# Altium PCB PCB3.PcbDoc
Units mm, origin at the board's own origin, x right, y up, seen from the top; angles counter-clockwise.
Board outline 75.5 x 87.5 mm, 2 copper layers (Top Layer, Bottom Layer), stack 1.569 mm thick; 75 components, 42 nets, 222 pads, 16 vias.
Unrouted connection lines stored in the file: 2.
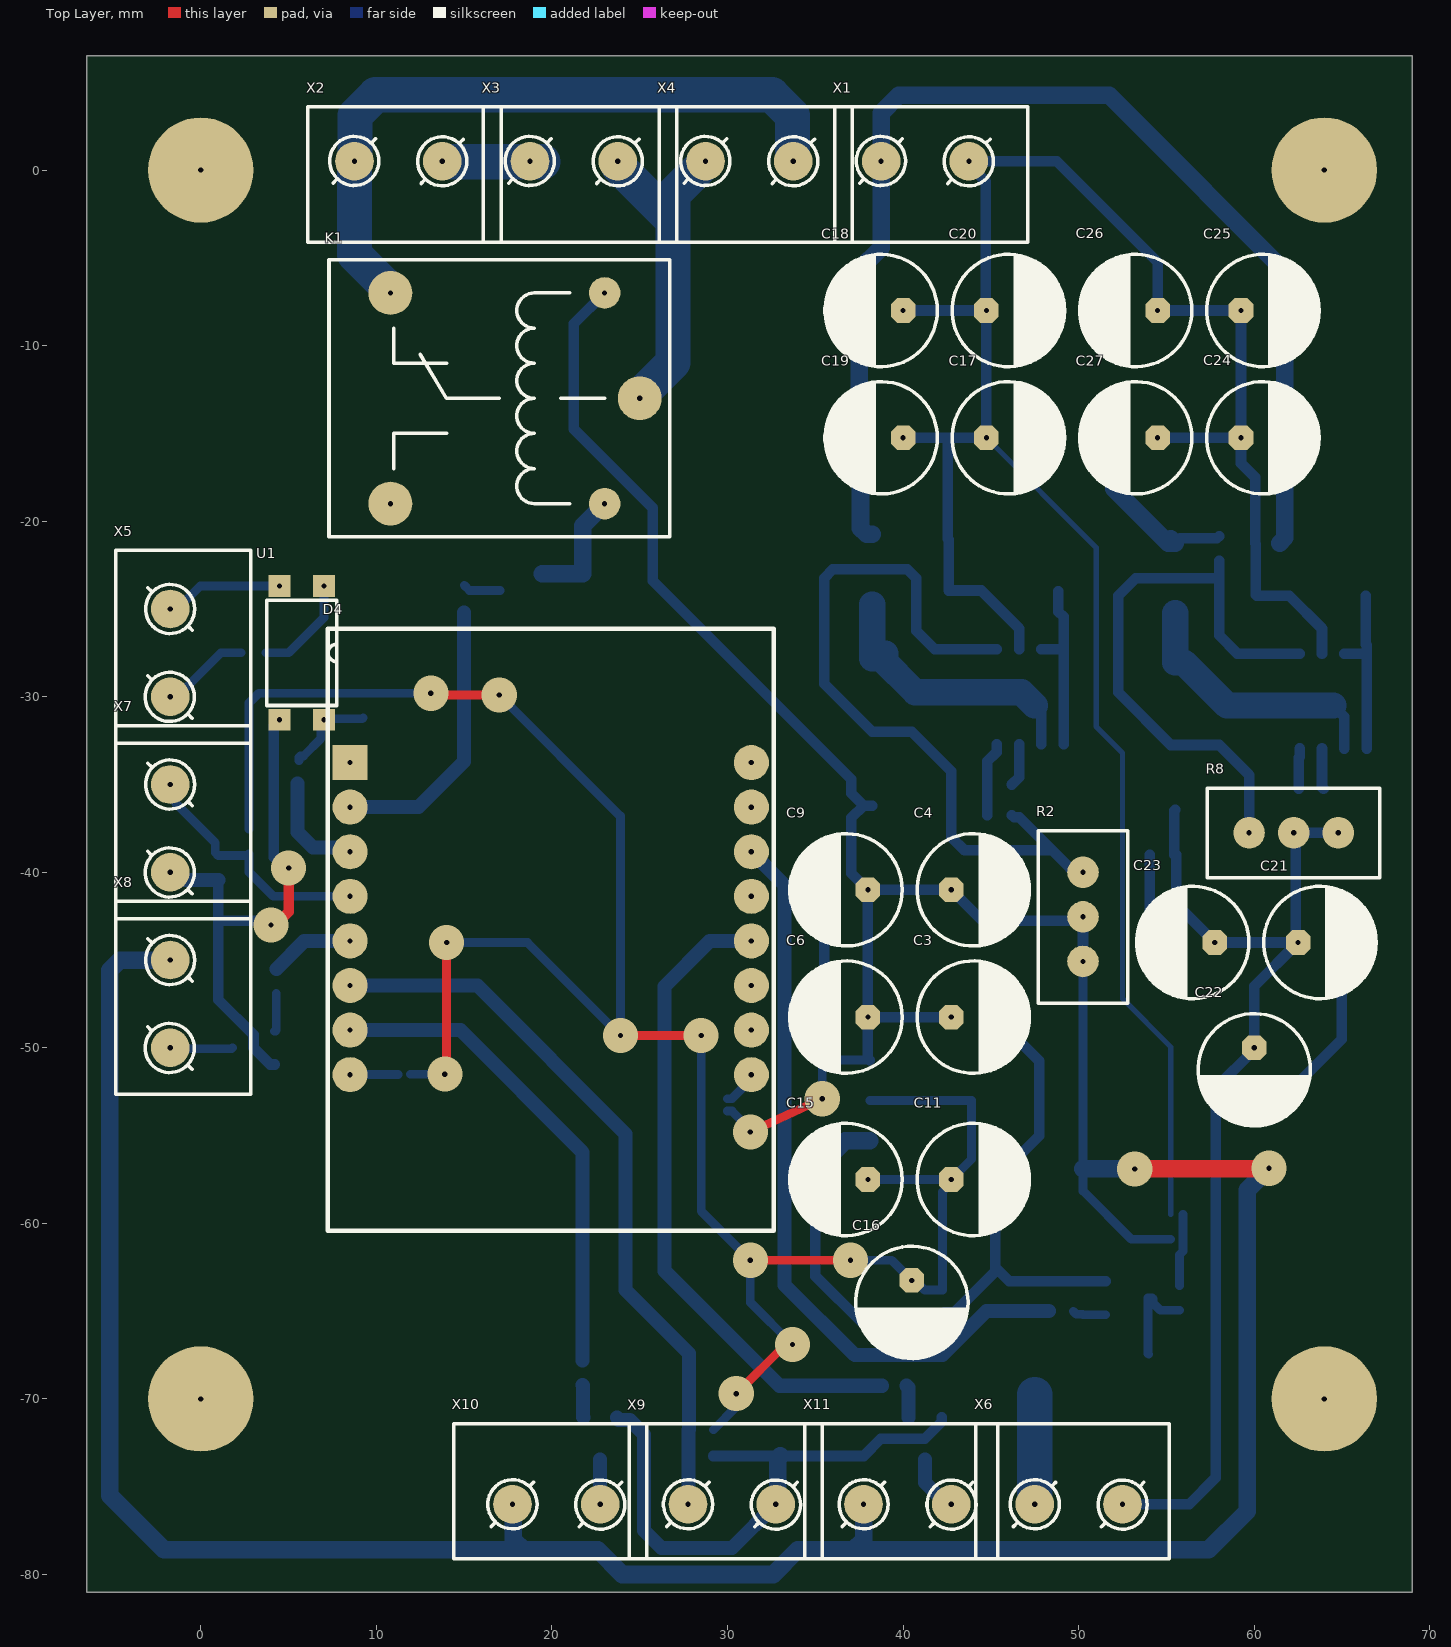
[diagram p0: Top Layer view]
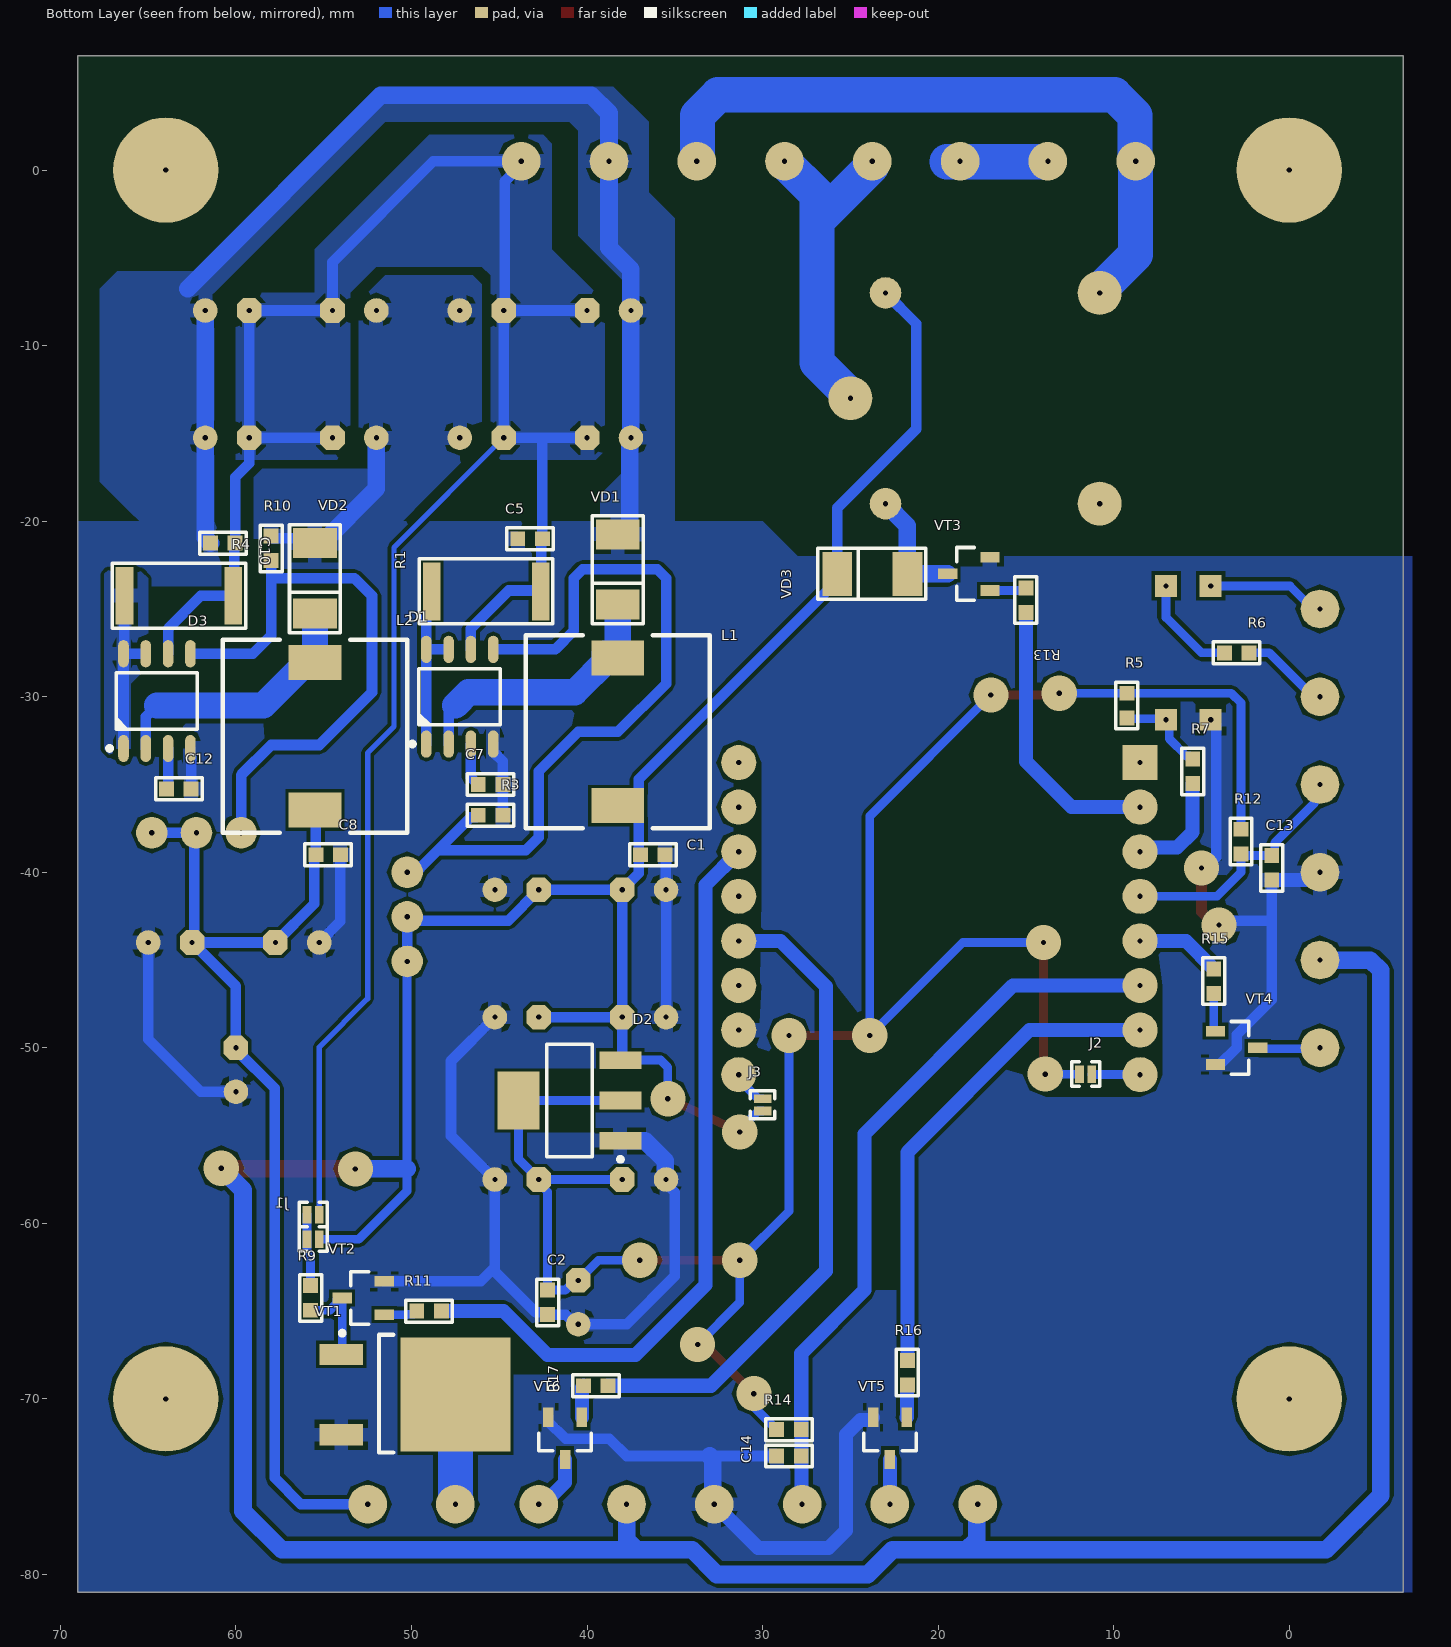
[diagram p1: Bottom Layer view, seen from below]
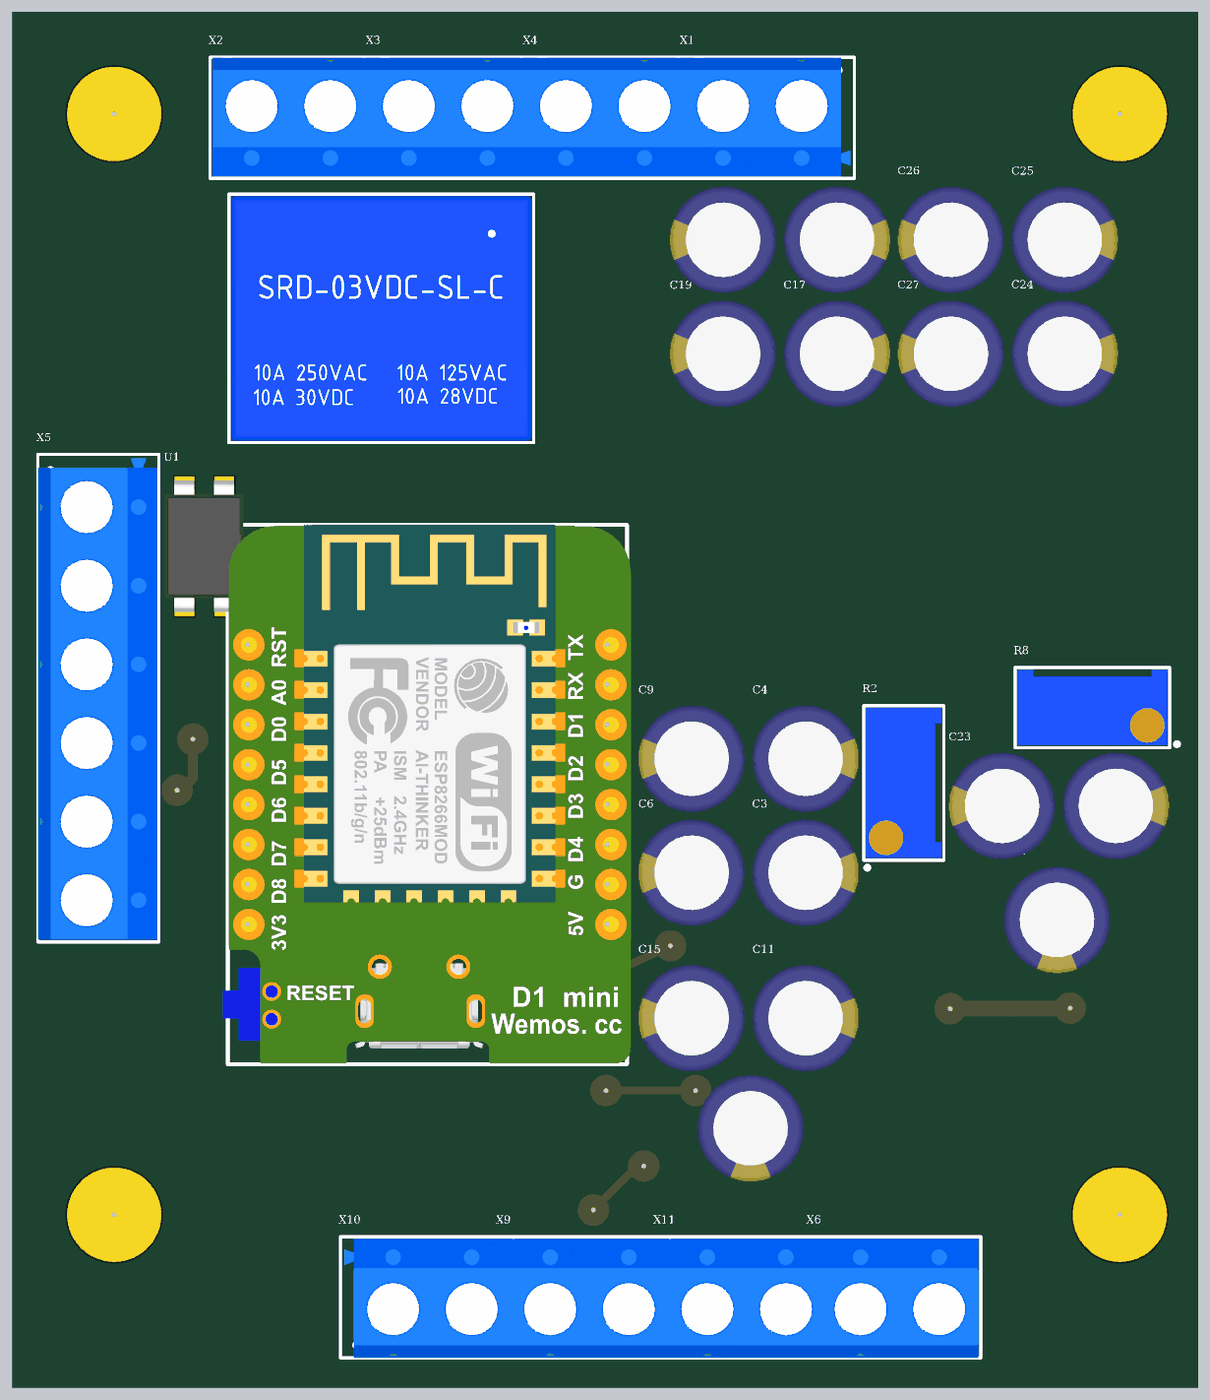
[diagram p2: 3D render of the assembled board from above, using the file's embedded part models]
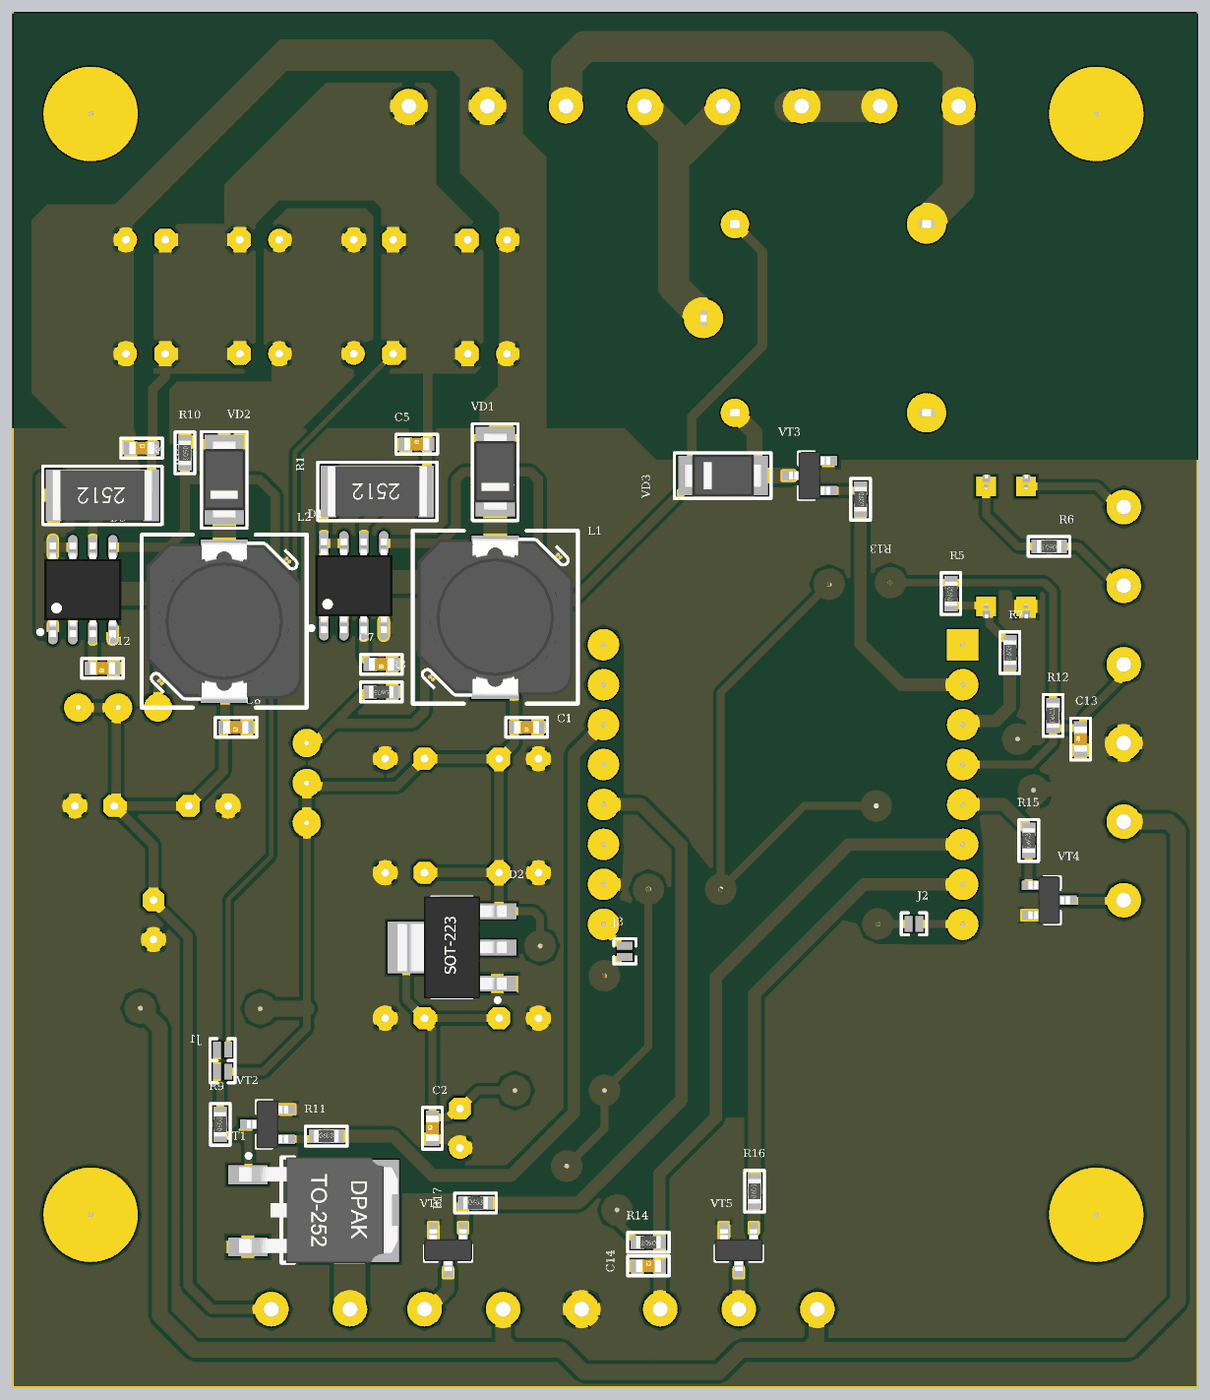
[diagram p3: 3D render of the assembled board from below, using the file's embedded part models]

## Layer stack, top to bottom
Top Solder: solder mask 0.0254, SM-001, Dk 4
Top Layer: signal copper 0.035
Dielectric 1: core 1.4986, Core-043, Dk 4.3
Bottom Layer: signal copper 0.035
Bottom Solder: solder mask 0.0254, SM-001, Dk 4

## Board outline
-6.5,-81 69,-81 69,6.5 -6.5,6.5

## Design rules (kind name [scope] priority, off if disabled: settings)
Clearance [All] p1: gap=0.2 ignorepadtopadclearanceinfootprint=FALSE except(0: Arc-Hole Track-Hole SMDPad-Hole THPad-Hole Via-Hole Fill-Hole Poly-Hole Region-Hole Text-Hole)
Height [All] p1: minheight=0 maxheight=50 prefheight=12.7
PolygonConnect [All] p1: connectstyle=Relief reliefconductorwidth=0.8 reliefentries=4 polygonreliefangle="90 Angle" airgapwidth=0.254
RoutingVias [All] p1: holewidth=0.711 width=1.27 viastyle="Through Hole" minholewidth=0.711 minwidth=1.27 maxholewidth=0.711 maxwidth=1.27
SolderMaskExpansion [All] p1: expansion=0.102 istentingtop=FALSE
Width [All] p1: maxlimit=8 minlimit=0.1 preferedwidth=0.254
29 further rules are at their usual default settings.

## Components (designator, comment, footprint, x,y, rotation, side; value= is the part's Value field where it differs from the comment)
C1 "Ceramic capacitor, 0.1μF, X7R, ±10%, 50V, 0603, -55...+125°C" "CAP: 0603" 36.25,-39 r0 bottom value=0.1μF
C2 "Ceramic capacitor, 0.1μF, X7R, ±10%, 50V, 0603, -55...+125°C" "CAP: 0603" 42.25,-64.5 r90 bottom value=0.1μF
C3 "Aluminium capacitor, 100μF, 25V, ±20%, 54mOhm, 14x10x5 mm, -55...+105°C" "CAP: D6.3C2.5H11" 44,-48.25 r0 top value=100μF
C4 "Aluminium capacitor, 100μF, 25V, ±20%, 54mOhm, 14x10x5 mm, -55...+105°C" "CAP: D6.3C2.5H11" 44,-41 r0 top value=100μF
C5 "Ceramic capacitor, 0.1μF, X7R, ±10%, 50V, 0603, -55...+125°C" "CAP: 0603" 43.25,-21 r180 bottom value=0.1μF
C6 "Aluminium capacitor, 100μF, 25V, ±20%, 54mOhm, 14x10x5 mm, -55...+105°C" "CAP: D6.3C2.5H11" 36.75,-48.25 r180 top value=100μF
C7 "Ceramic capacitor, 300pF, X7R, ±10%, 50V, 0603, -55...+125°C" "CAP: 0603" 45.5,-35 r0 bottom value=300pF
C8 "Ceramic capacitor, 0.1μF, X7R, ±10%, 50V, 0603, -55...+125°C" "CAP: 0603" 54.75,-39 r0 bottom value=0.1μF
C9 "Aluminium capacitor, 100μF, 25V, ±20%, 54mOhm, 14x10x5 mm, -55...+105°C" "CAP: D6.3C2.5H11" 36.75,-41 r180 top value=100μF
C10 "Ceramic capacitor, 0.1μF, X7R, ±10%, 50V, 0603, -55...+125°C" "CAP: 0603" 60.75,-21.25 r180 bottom value=0.1μF
C11 "Aluminium capacitor, 100μF, 25V, ±20%, 54mOhm, 14x10x5 mm, -55...+105°C" "CAP: D6.3C2.5H11" 44,-57.5 r0 top value=100μF
C12 "Ceramic capacitor, 300pF, X7R, ±10%, 50V, 0603, -55...+125°C" "CAP: 0603" 63.25,-35.25 r0 bottom value=300pF
C13 "Ceramic capacitor, 0.1μF, X7R, ±10%, 50V, 0603, -55...+125°C" "CAP: 0603" 1,-39.75 r90 bottom value=0.1μF
C14 "Ceramic capacitor, 0.1μF, X7R, ±10%, 50V, 0603, -55...+125°C" "CAP: 0603" 28.5,-73.25 r180 bottom value=0.1μF
C15 "Aluminium capacitor, 100μF, 25V, ±20%, 54mOhm, 14x10x5 mm, -55...+105°C" "CAP: D6.3C2.5H11" 36.75,-57.5 r180 top value=100μF
C16 "Aluminium capacitor, 100μF, 25V, ±20%, 54mOhm, 14x10x5 mm, -55...+105°C" "CAP: D6.3C2.5H11" 40.5,-64.5 r270 top value=100μF
C17 "Aluminium capacitor, 100μF, 25V, ±20%, 54mOhm, 14x10x5 mm, -55...+105°C" "CAP: D6.3C2.5H11" 46,-15.25 r0 top value=100μF
C18 "Aluminium capacitor, 100μF, 25V, ±20%, 54mOhm, 14x10x5 mm, -55...+105°C" "CAP: D6.3C2.5H11" 38.75,-8 r180 top value=100μF
C19 "Aluminium capacitor, 100μF, 25V, ±20%, 54mOhm, 14x10x5 mm, -55...+105°C" "CAP: D6.3C2.5H11" 38.75,-15.25 r180 top value=100μF
C20 "Aluminium capacitor, 100μF, 25V, ±20%, 54mOhm, 14x10x5 mm, -55...+105°C" "CAP: D6.3C2.5H11" 46,-8 r0 top value=100μF
C21 "Aluminium capacitor, 100μF, 25V, ±20%, 54mOhm, 14x10x5 mm, -55...+105°C" "CAP: D6.3C2.5H11" 63.75,-44 r0 top value=100μF
C22 "Aluminium capacitor, 100μF, 25V, ±20%, 54mOhm, 14x10x5 mm, -55...+105°C" "CAP: D6.3C2.5H11" 60,-51.25 r270 top value=100μF
C23 "Aluminium capacitor, 100μF, 25V, ±20%, 54mOhm, 14x10x5 mm, -55...+105°C" "CAP: D6.3C2.5H11" 56.5,-44 r180 top value=100μF
C24 "Aluminium capacitor, 100μF, 25V, ±20%, 54mOhm, 14x10x5 mm, -55...+105°C" "CAP: D6.3C2.5H11" 60.5,-15.25 r0 top value=100μF
C25 "Aluminium capacitor, 100μF, 25V, ±20%, 54mOhm, 14x10x5 mm, -55...+105°C" "CAP: D6.3C2.5H11" 60.5,-8 r0 top value=100μF
C26 "Aluminium capacitor, 100μF, 25V, ±20%, 54mOhm, 14x10x5 mm, -55...+105°C" "CAP: D6.3C2.5H11" 53.25,-8 r180 top value=100μF
C27 "Aluminium capacitor, 100μF, 25V, ±20%, 54mOhm, 14x10x5 mm, -55...+105°C" "CAP: D6.3C2.5H11" 53.25,-15.25 r180 top value=100μF
D1 "DC TO DC CONVERTER, max supply 40V, Open drain, -40...+105°C, 8-SOIC" 8-SOIC 47.25,-30 r90 bottom
D2 "Linear voltage regulator, input 3.9...18V, 0.6V, output 3.3V, 1.2A, -40...+85°C, SOT223" SOT223 41,-53 r0 bottom
D3 "DC TO DC CONVERTER, max supply 40V, Open drain, -40...+105°C, 8-SOIC" 8-SOIC 64.5,-30.25 r90 bottom
D4 "Wi-Fi module, 802.11 b/g/n, 8 bit, SDIO/SPI/UART, -40...+85°C, 21x16mm" "ESP8266MOD D1 mini" 19.93,-42.64 r0 top
J1 "" "CON: JUMPER x2" 55.6,-59.5 r180 bottom
J2 "" "CON: JUMPER x1" 11.25,-51.5 r0 bottom
J3 "" "CON: JUMPER x1" 30,-52.9 r270 bottom
K1 "Electromechanics relay, 3VDC, 250VAC, 10A, 1NO, -40...+85°C" "REL: SRD-03VDC" 17,-13 r0 top
L1 "Fixed inductor, 100μH, ±20%, CDRH101R, 3A, -40...+150°C" CDRH 38.25,-32 r90 bottom value=100μH
L2 "Fixed inductor, 100μH, ±20%, CDRH101R, 3A, -40...+150°C" CDRH 55.5,-32.25 r90 bottom value=100μH
R1 "Resistor film, 0.68R, ±5%, 2512, 1W, -55...+125°C" "RES: 2512" 45.75,-24 r0 bottom value=0.68R
R2 "Resistor film, 22k, ±10%, 3296W, 0.5W, -55...+125°C" "RES: 3296W" 50.25,-45.08 r90 top value=22k
R3 "Resistor film, ?, ±5%, 0603, 0.1W, -55...+125°C" "RES: 0603" 45.5,-36.75 r0 bottom value=?
R4 "Resistor film, 0.68R, ±5%, 2512, 1W, -55...+125°C" "RES: 2512" 63.25,-24.25 r0 bottom value=0.68R
R5 "Resistor film, 4,7K, ±5%, 0603, 0.1W, -55...+125°C" "RES: 0603" 9.25,-30.5 r90 bottom value=4,7K
R6 "Resistor film, 100R, ±5%, 0603, 0.1W, -55...+125°C" "RES: 0603" 3,-27.5 r0 bottom value=100R
R7 "Resistor film, 100R, ±5%, 0603, 0.1W, -55...+125°C" "RES: 0603" 5.5,-34.25 r90 bottom value=100R
R8 "Resistor film, ?, ±10%, 3296W, 0.5W, -55...+125°C" "RES: 3296W" 64.79,-37.75 r180 top value=?
R9 "Resistor film, 4,7K, ±5%, 0603, 0.1W, -55...+125°C" "RES: 0603" 55.75,-64.25 r90 bottom value=4,7K
R10 "Resistor film, ?, ±5%, 0603, 0.1W, -55...+125°C" "RES: 0603" 58,-21.55 r270 bottom value=?
R11 "Resistor film, 100R, ±5%, 0603, 0.1W, -55...+125°C" "RES: 0603" 49,-65 r180 bottom value=100R
R12 "Resistor film, 4,7K, ±5%, 0603, 0.1W, -55...+125°C" "RES: 0603" 2.75,-38.25 r90 bottom value=4,7K
R13 "Resistor film, 100R, ±5%, 0603, 0.1W, -55...+125°C" "RES: 0603" 15,-24.5 r270 bottom value=100R
R14 "Resistor film, 4,7K, ±5%, 0603, 0.1W, -55...+125°C" "RES: 0603" 28.5,-71.75 r0 bottom value=4,7K
R15 "Resistor film, 100R, ±5%, 0603, 0.1W, -55...+125°C" "RES: 0603" 4.3,-46.2 r90 bottom value=100R
R16 "Resistor film, 100R, ±5%, 0603, 0.1W, -55...+125°C" "RES: 0603" 21.75,-68.5 r90 bottom value=100R
R17 "Resistor film, 100R, ±5%, 0603, 0.1W, -55...+125°C" "RES: 0603" 39.5,-69.25 r180 bottom value=100R
U1 "IC optoisolator, 4µs/3µs, 5000Vrms, 35V, -40...+125°C, 4-SMD" 4-DIP 5.75,-27.5 r270 top
VD1 "Schottky diode, 50V, 1000mA, 1V, 15pF, SOD-123, -55...+150°C" "DIODE: SMA" 38.25,-22.75 r270 bottom
VD2 "Schottky diode, 50V, 1000mA, 1V, 15pF, SOD-123, -55...+150°C" "DIODE: SMA" 55.5,-23.25 r270 bottom
VD3 "Single diode, 75V, 150mA, 1V, 4ns, SOD-323, -55...+150°C" "DIODE: SMA" 23.75,-23 r0 bottom
VT1 "MOSFET N-channel transistor, 80V, 7A, 9.1nC, 2.5W, 34mOhm, 756pF, 8-TDSON, -55...+150°C" DPAK 50.75,-69.75 r180 bottom
VT2 "NPN transistor, 45V, 100mA, 100MHz, 300mW, 0.6V, 420, SOT-23, -55...+125°C" SOT23 52.75,-64.25 r0 bottom
VT3 "NPN transistor, 45V, 100mA, 100MHz, 300mW, 0.6V, 420, SOT-23, -55...+125°C" SOT23 18.25,-23 r0 bottom
VT4 "NPN transistor, 45V, 100mA, 100MHz, 300mW, 0.6V, 420, SOT-23, -55...+125°C" SOT23 3,-50 r180 bottom
VT5 "NPN transistor, 45V, 100mA, 100MHz, 300mW, 0.6V, 420, SOT-23, -55...+125°C" SOT23 22.75,-72.25 r270 bottom
VT6 "NPN transistor, 45V, 100mA, 100MHz, 300mW, 0.6V, 420, SOT-23, -55...+125°C" SOT23 41.25,-72.25 r270 bottom
X1 "Terminal connector, 2pin, 3.5mm, 300VAC, 10A" "CON: DG301-5.0-02P-12-00AH" 41.6,-0.2 r180 top
X2 "Terminal connector, 2pin, 3.5mm, 300VAC, 10A" "CON: DG301-5.0-02P-12-00AH" 11.6,-0.2 r180 top